# Altium PCB PCB_3_3G_wireless.PcbDoc (part 3 of 6) (continued)
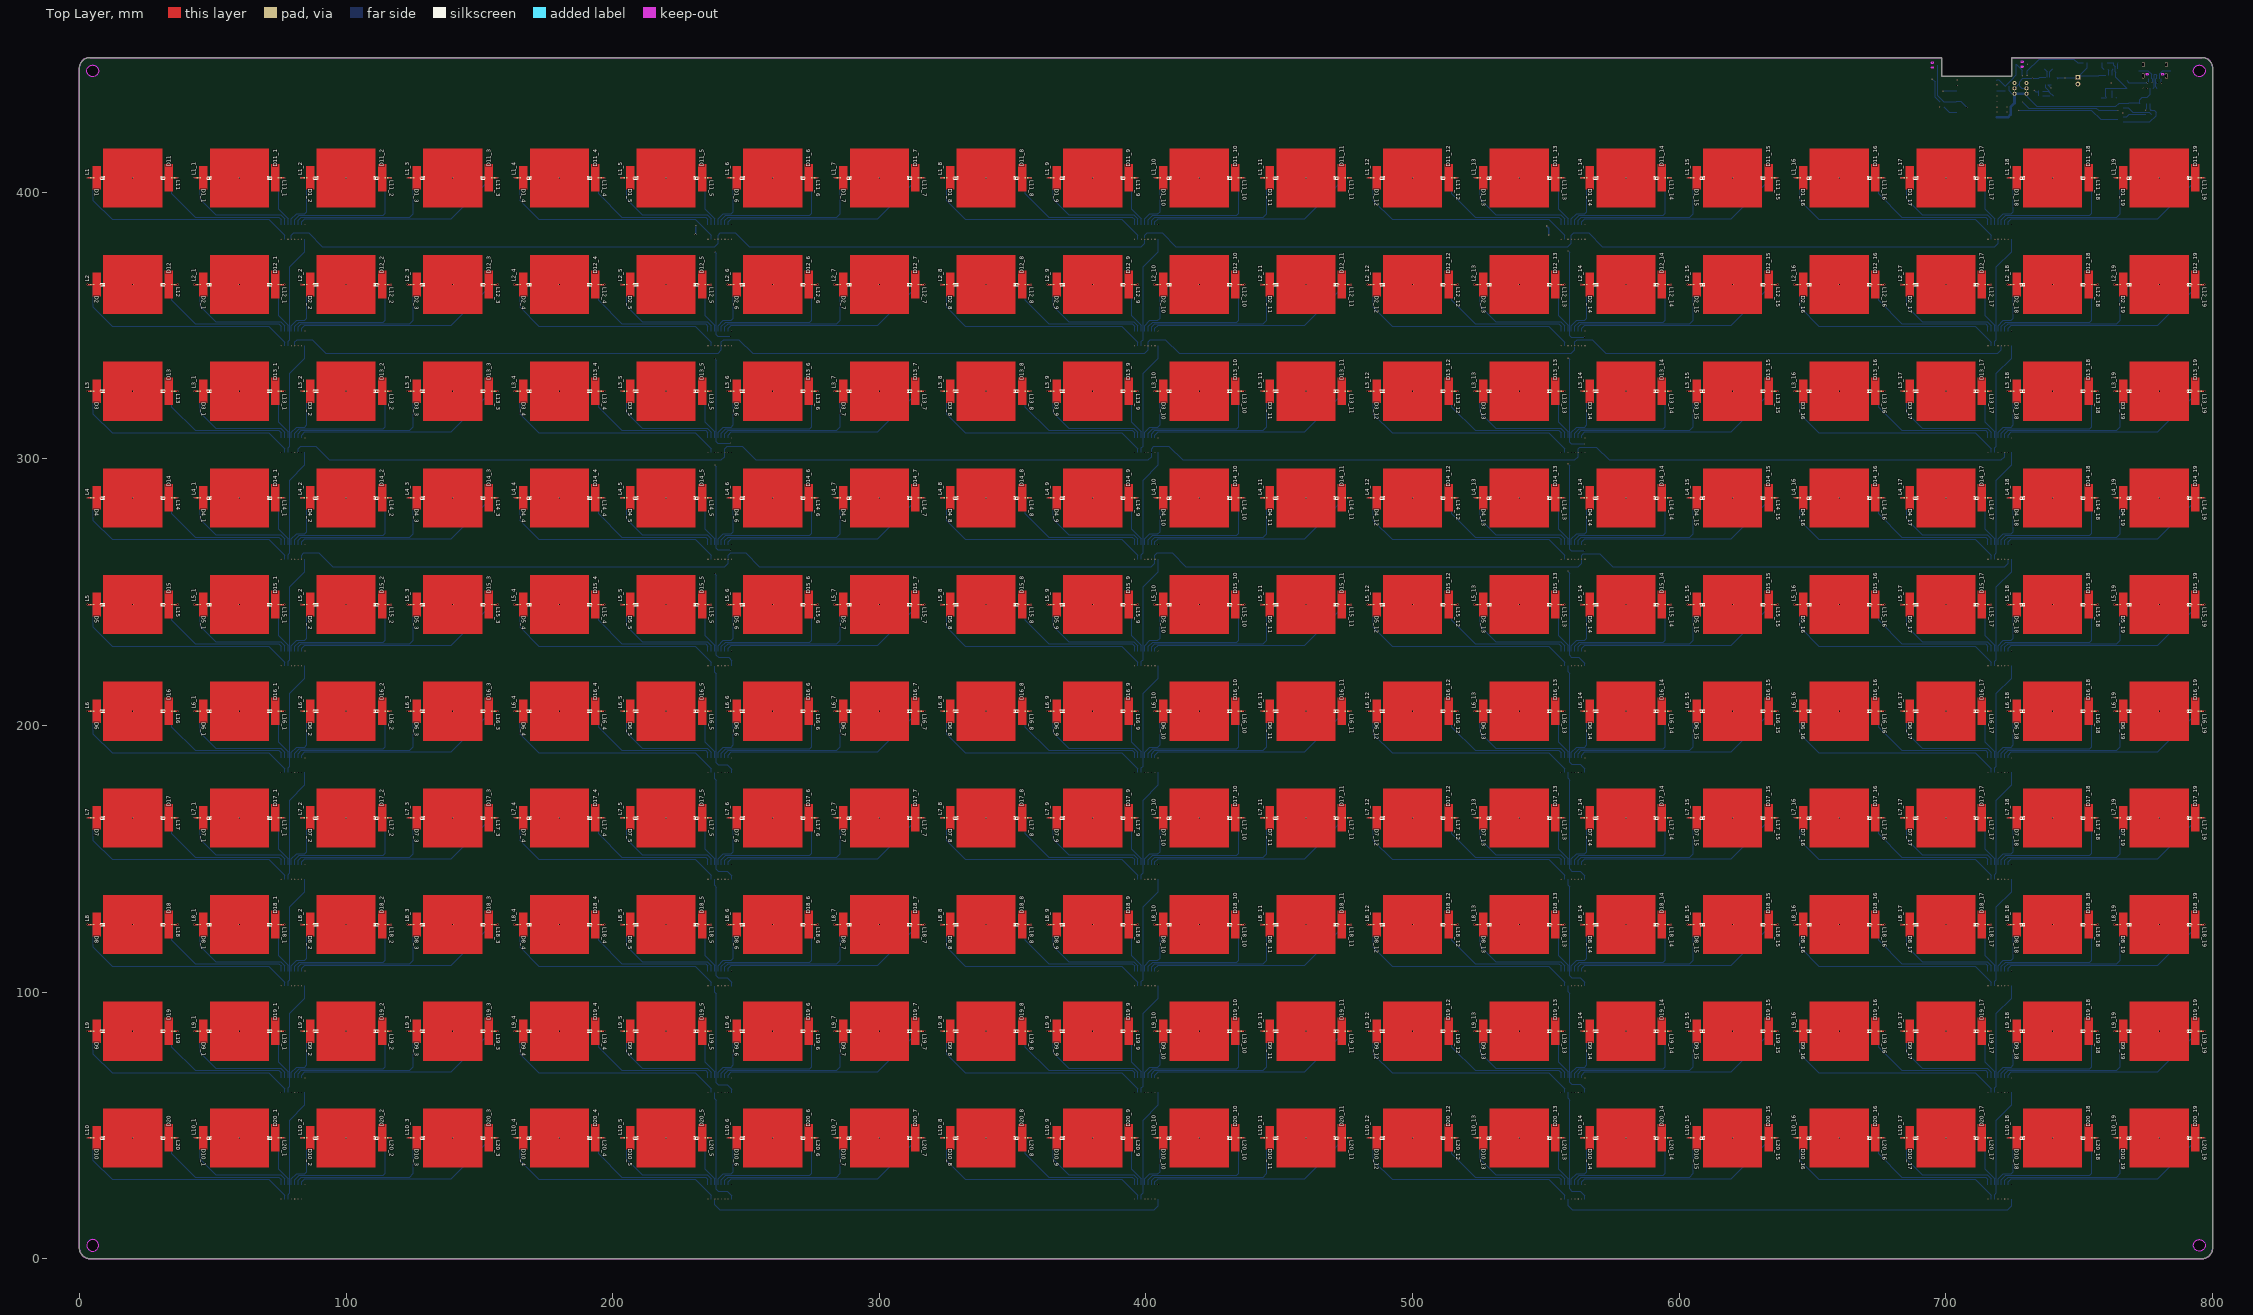
[diagram p0: Top Layer view]
## Nets (pads, with @x,y where several pads share a name; then routed paths per layer and width w, separated by ;. In a path a pad name is that pad's centre, name@x,y a point inside that pad or via, vN(x,y) a via of type N, cw(c..) or ccw(c..) an arc to the next point about the centre after c; other vN are vias at no path point) (continued)
NewNet52: D10_1.2 L10_1.2
NewNet53: D9_1.2 L9_1.2
NewNet54: D8_1.2 L8_1.2
NewNet55: D7_1.2 L7_1.2
NewNet56: D6_1.2 L6_1.2
NewNet57: D5_1.2 L5_1.2
NewNet58: D4_1.2 L4_1.2
NewNet59: D3_1.2 L3_1.2
NewNet60: D2_1.2 L2_1.2
NewNet61: BR1_2_9_8.2 L20_1.1 | length 1.2
  Bottom Layer w0.254: BR1_2_9_8.2@75.723,45.308 v1(76.9,45.308)
NewNet62: BR1_2_9_7.2 L19_1.1 | length 1.2
  Bottom Layer w0.254: BR1_2_9_7.2@75.723,85.308 v1(76.9,85.308)
NewNet63: BR1_2_9_6.2 L18_1.1 | length 1.2
  Bottom Layer w0.254: BR1_2_9_6.2@75.723,125.308 v1(76.9,125.308)
NewNet64: BR1_2_9_5.2 L17_1.1 | length 1.2
  Bottom Layer w0.254: BR1_2_9_5.2@75.723,165.308 v1(76.9,165.308)
NewNet65: BR1_2_9_4.2 L16_1.1 | length 1.2
  Bottom Layer w0.254: BR1_2_9_4.2@75.723,205.308 v1(76.9,205.308)
NewNet66: BR1_2_9_3.2 L15_1.1 | length 1.2
  Bottom Layer w0.254: BR1_2_9_3.2@75.723,245.308 v1(76.9,245.308)
NewNet67: BR1_2_9_2.2 L14_1.1 | length 1.2
  Bottom Layer w0.254: BR1_2_9_2.2@75.723,285.308 v1(76.9,285.308)
NewNet68: BR1_2_9_1.2 L13_1.1 | length 1.2
  Bottom Layer w0.254: BR1_2_9_1.2@75.723,325.308 v1(76.9,325.308)
NewNet69: BR1_2_9.2 L12_1.1 | length 1.2
  Bottom Layer w0.254: BR1_2_9.2@75.723,365.308 v1(76.9,365.308)
NewNet70: BR2_2_9_8.2 L10_1.1 | length 1.2
  Bottom Layer w0.254: v1(43.1,45.308) BR2_2_9_8.2@44.276,45.308
NewNet71: BR2_2_9_7.2 L9_1.1 | length 1.2
  Bottom Layer w0.254: v1(43.1,85.308) BR2_2_9_7.2@44.276,85.308
NewNet72: BR2_2_9_6.2 L8_1.1 | length 1.2
  Bottom Layer w0.254: v1(43.1,125.308) BR2_2_9_6.2@44.276,125.308
NewNet73: BR2_2_9_5.2 L7_1.1 | length 1.2
  Bottom Layer w0.254: v1(43.1,165.308) BR2_2_9_5.2@44.276,165.308
NewNet74: BR2_2_9_4.2 L6_1.1 | length 1.2
  Bottom Layer w0.254: v1(43.1,205.308) BR2_2_9_4.2@44.276,205.308
NewNet75: BR2_2_9_3.2 L5_1.1 | length 1.2
  Bottom Layer w0.254: v1(43.1,245.308) BR2_2_9_3.2@44.276,245.308
NewNet76: BR2_2_9_2.2 L4_1.1 | length 1.2
  Bottom Layer w0.254: v1(43.1,285.308) BR2_2_9_2.2@44.276,285.308
NewNet77: BR2_2_9_1.2 L3_1.1 | length 1.2
  Bottom Layer w0.254: v1(43.1,325.308) BR2_2_9_1.2@44.276,325.308
NewNet78: BR2_2_9.2 L2_1.1 | length 1.2
  Bottom Layer w0.254: v1(43.1,365.308) BR2_2_9.2@44.276,365.308
NewNet79: BR2_2_4.2 L1_1.1 | length 1.2
  Bottom Layer w0.254: v1(43.1,405.308) BR2_2_4.2@44.276,405.308
NewNet80: D1_1.2 L1_1.2
NewNet81: D20_2.2 L20_2.2
NewNet82: D19_2.2 L19_2.2
NewNet83: D18_2.2 L18_2.2
NewNet84: D17_2.2 L17_2.2
NewNet85: D16_2.2 L16_2.2
NewNet86: D15_2.2 L15_2.2
NewNet87: D14_2.2 L14_2.2
NewNet88: D13_2.2 L13_2.2
NewNet89: D12_2.2 L12_2.2
NewNet90: D11_2.2 L11_2.2
NewNet91: D10_2.2 L10_2.2
NewNet92: D9_2.2 L9_2.2
NewNet93: D8_2.2 L8_2.2
NewNet94: D7_2.2 L7_2.2
NewNet95: D6_2.2 L6_2.2
NewNet96: D5_2.2 L5_2.2
NewNet97: D4_2.2 L4_2.2
NewNet98: D3_2.2 L3_2.2
NewNet99: D2_2.2 L2_2.2
NewNet100: BR1_1_9_8.2 L20_2.1 | length 1.2
  Bottom Layer w0.254: BR1_1_9_8.2@115.723,45.308 v1(116.9,45.308)
NewNet101: BR1_1_9_7.2 L19_2.1 | length 1.2
  Bottom Layer w0.254: BR1_1_9_7.2@115.723,85.308 v1(116.9,85.308)
NewNet102: BR1_1_9_6.2 L18_2.1 | length 1.2
  Bottom Layer w0.254: BR1_1_9_6.2@115.723,125.308 v1(116.9,125.308)
NewNet103: BR1_1_9_5.2 L17_2.1 | length 1.2
  Bottom Layer w0.254: BR1_1_9_5.2@115.723,165.308 v1(116.9,165.308)
NewNet104: BR1_1_9_4.2 L16_2.1 | length 1.2
  Bottom Layer w0.254: BR1_1_9_4.2@115.723,205.308 v1(116.9,205.308)
NewNet105: BR1_1_9_3.2 L15_2.1 | length 1.2
  Bottom Layer w0.254: BR1_1_9_3.2@115.723,245.308 v1(116.9,245.308)
NewNet106: BR1_1_9_2.2 L14_2.1 | length 1.2
  Bottom Layer w0.254: BR1_1_9_2.2@115.723,285.308 v1(116.9,285.308)
NewNet107: BR1_1_9_1.2 L13_2.1 | length 1.2
  Bottom Layer w0.254: BR1_1_9_1.2@115.723,325.308 v1(116.9,325.308)
NewNet108: BR1_1_9.2 L12_2.1 | length 1.2
  Bottom Layer w0.254: BR1_1_9.2@115.723,365.308 v1(116.9,365.308)
NewNet109: BR1_1_4.2 L11_2.1 | length 1.2
  Bottom Layer w0.254: BR1_1_4.2@115.723,405.308 v1(116.9,405.308)
NewNet110: BR2_1_9_8.2 L10_2.1 | length 1.2
  Bottom Layer w0.254: v1(83.1,45.308) BR2_1_9_8.2@84.276,45.308
NewNet111: BR2_1_9_7.2 L9_2.1 | length 1.2
  Bottom Layer w0.254: v1(83.1,85.308) BR2_1_9_7.2@84.276,85.308
NewNet112: BR2_1_9_6.2 L8_2.1 | length 1.2
  Bottom Layer w0.254: v1(83.1,125.308) BR2_1_9_6.2@84.276,125.308
NewNet113: BR2_1_9_5.2 L7_2.1 | length 1.2
  Bottom Layer w0.254: v1(83.1,165.308) BR2_1_9_5.2@84.276,165.308
NewNet114: BR2_1_9_4.2 L6_2.1 | length 1.2
  Bottom Layer w0.254: v1(83.1,205.308) BR2_1_9_4.2@84.276,205.308
NewNet115: BR2_1_9_3.2 L5_2.1 | length 1.2
  Bottom Layer w0.254: v1(83.1,245.308) BR2_1_9_3.2@84.276,245.308
NewNet116: BR2_1_9_2.2 L4_2.1 | length 1.2
  Bottom Layer w0.254: v1(83.1,285.308) BR2_1_9_2.2@84.276,285.308
NewNet117: BR2_1_9_1.2 L3_2.1 | length 1.2
  Bottom Layer w0.254: v1(83.1,325.308) BR2_1_9_1.2@84.276,325.308
NewNet118: BR2_1_9.2 L2_2.1 | length 1.2
  Bottom Layer w0.254: v1(83.1,365.308) BR2_1_9.2@84.276,365.308
NewNet119: BR2_1_4.2 L1_2.1 | length 1.2
  Bottom Layer w0.254: v1(83.1,405.308) BR2_1_4.2@84.276,405.308
NewNet120: D1_2.2 L1_2.2
NewNet121: D20_3.2 L20_3.2
NewNet122: D19_3.2 L19_3.2
NewNet123: D18_3.2 L18_3.2
NewNet124: D17_3.2 L17_3.2
NewNet125: D16_3.2 L16_3.2
NewNet126: D15_3.2 L15_3.2
NewNet127: D14_3.2 L14_3.2
NewNet128: D13_3.2 L13_3.2
NewNet129: D12_3.2 L12_3.2
NewNet130: D11_3.2 L11_3.2
NewNet131: D10_3.2 L10_3.2
NewNet132: D9_3.2 L9_3.2
NewNet133: D8_3.2 L8_3.2
NewNet134: D7_3.2 L7_3.2
NewNet135: D6_3.2 L6_3.2
NewNet136: D5_3.2 L5_3.2
NewNet137: D4_3.2 L4_3.2
NewNet138: D3_3.2 L3_3.2
NewNet139: D2_3.2 L2_3.2
NewNet140: BR1_12_8.2 L20_3.1 | length 1.2
  Bottom Layer w0.254: BR1_12_8.2@155.723,45.308 v1(156.9,45.308)
NewNet141: BR1_12_7.2 L19_3.1 | length 1.2
  Bottom Layer w0.254: BR1_12_7.2@155.723,85.308 v1(156.9,85.308)
NewNet142: BR1_12_6.2 L18_3.1 | length 1.2
  Bottom Layer w0.254: BR1_12_6.2@155.723,125.308 v1(156.9,125.308)
NewNet143: BR1_12_5.2 L17_3.1 | length 1.2
  Bottom Layer w0.254: BR1_12_5.2@155.723,165.308 v1(156.9,165.308)
NewNet144: BR1_12_4.2 L16_3.1 | length 1.2
  Bottom Layer w0.254: BR1_12_4.2@155.723,205.308 v1(156.9,205.308)
NewNet145: BR1_12_3.2 L15_3.1 | length 1.2
  Bottom Layer w0.254: BR1_12_3.2@155.723,245.308 v1(156.9,245.308)
NewNet146: BR1_12_2.2 L14_3.1 | length 1.2
  Bottom Layer w0.254: BR1_12_2.2@155.723,285.308 v1(156.9,285.308)
NewNet147: BR1_12_1.2 L13_3.1 | length 1.2
  Bottom Layer w0.254: BR1_12_1.2@155.723,325.308 v1(156.9,325.308)
NewNet148: BR1_12.2 L12_3.1 | length 1.2
  Bottom Layer w0.254: BR1_12.2@155.723,365.308 v1(156.9,365.308)
NewNet149: BR1_7.2 L11_3.1 | length 1.2
  Bottom Layer w0.254: BR1_7.2@155.723,405.308 v1(156.9,405.308)
NewNet150: BR2_12_8.2 L10_3.1 | length 1.2
  Bottom Layer w0.254: v1(123.1,45.308) BR2_12_8.2@124.276,45.308
NewNet151: BR2_12_7.2 L9_3.1 | length 1.2
  Bottom Layer w0.254: v1(123.1,85.308) BR2_12_7.2@124.276,85.308
NewNet152: BR2_12_6.2 L8_3.1 | length 1.2
  Bottom Layer w0.254: v1(123.1,125.308) BR2_12_6.2@124.276,125.308
NewNet153: BR2_12_5.2 L7_3.1 | length 1.2
  Bottom Layer w0.254: v1(123.1,165.308) BR2_12_5.2@124.276,165.308
NewNet154: BR2_12_4.2 L6_3.1 | length 1.2
  Bottom Layer w0.254: v1(123.1,205.308) BR2_12_4.2@124.276,205.308
NewNet155: BR2_12_3.2 L5_3.1 | length 1.2
  Bottom Layer w0.254: v1(123.1,245.308) BR2_12_3.2@124.276,245.308
NewNet156: BR2_12_2.2 L4_3.1 | length 1.2
  Bottom Layer w0.254: v1(123.1,285.308) BR2_12_2.2@124.276,285.308
NewNet157: BR2_12_1.2 L3_3.1 | length 1.2
  Bottom Layer w0.254: v1(123.1,325.308) BR2_12_1.2@124.276,325.308
NewNet158: BR2_12.2 L2_3.1 | length 1.2
  Bottom Layer w0.254: v1(123.1,365.308) BR2_12.2@124.276,365.308
NewNet159: BR2_7.2 L1_3.1 | length 1.2
  Bottom Layer w0.254: v1(123.1,405.308) BR2_7.2@124.276,405.308
NewNet160: D1_3.2 L1_3.2
NewNet161: D20_4.2 L20_4.2
NewNet162: D19_4.2 L19_4.2
NewNet163: D18_4.2 L18_4.2
NewNet164: D17_4.2 L17_4.2
NewNet165: D16_4.2 L16_4.2
NewNet166: D15_4.2 L15_4.2
NewNet167: D14_4.2 L14_4.2
NewNet168: D13_4.2 L13_4.2
NewNet169: D12_4.2 L12_4.2
NewNet170: D11_4.2 L11_4.2
NewNet171: D10_4.2 L10_4.2
NewNet172: D9_4.2 L9_4.2
NewNet173: D8_4.2 L8_4.2
NewNet174: D7_4.2 L7_4.2
NewNet175: D6_4.2 L6_4.2
NewNet176: D5_4.2 L5_4.2
NewNet177: D4_4.2 L4_4.2
NewNet178: D3_4.2 L3_4.2
NewNet179: D2_4.2 L2_4.2
NewNet180: BR1_3_8_8.2 L20_4.1 | length 1.2
  Bottom Layer w0.254: BR1_3_8_8.2@195.723,45.308 v1(196.9,45.308)
NewNet181: BR1_3_8_7.2 L19_4.1 | length 1.2
  Bottom Layer w0.254: BR1_3_8_7.2@195.723,85.308 v1(196.9,85.308)
NewNet182: BR1_3_8_6.2 L18_4.1 | length 1.2
  Bottom Layer w0.254: BR1_3_8_6.2@195.723,125.308 v1(196.9,125.308)
NewNet183: BR1_3_8_5.2 L17_4.1 | length 1.2
  Bottom Layer w0.254: BR1_3_8_5.2@195.723,165.308 v1(196.9,165.308)
NewNet184: BR1_3_8_4.2 L16_4.1 | length 1.2
  Bottom Layer w0.254: BR1_3_8_4.2@195.723,205.308 v1(196.9,205.308)
NewNet185: BR1_3_8_3.2 L15_4.1 | length 1.2
  Bottom Layer w0.254: BR1_3_8_3.2@195.723,245.308 v1(196.9,245.308)
NewNet186: BR1_3_8_2.2 L14_4.1 | length 1.2
  Bottom Layer w0.254: BR1_3_8_2.2@195.723,285.308 v1(196.9,285.308)
NewNet187: BR1_3_8_1.2 L13_4.1 | length 1.2
  Bottom Layer w0.254: BR1_3_8_1.2@195.723,325.308 v1(196.9,325.308)
NewNet188: BR1_3_8.2 L12_4.1 | length 1.2
  Bottom Layer w0.254: BR1_3_8.2@195.723,365.308 v1(196.9,365.308)
NewNet189: BR1_3_3.2 L11_4.1 | length 1.2
  Bottom Layer w0.254: BR1_3_3.2@195.723,405.308 v1(196.9,405.308)
NewNet190: BR2_3_8_8.2 L10_4.1 | length 1.2
  Bottom Layer w0.254: v1(163.1,45.308) BR2_3_8_8.2@164.276,45.308
NewNet191: BR2_3_8_7.2 L9_4.1 | length 1.2
  Bottom Layer w0.254: v1(163.1,85.308) BR2_3_8_7.2@164.276,85.308
NewNet192: BR2_3_8_6.2 L8_4.1 | length 1.2
  Bottom Layer w0.254: v1(163.1,125.308) BR2_3_8_6.2@164.276,125.308
NewNet193: BR2_3_8_5.2 L7_4.1 | length 1.2
  Bottom Layer w0.254: v1(163.1,165.308) BR2_3_8_5.2@164.276,165.308
NewNet194: BR2_3_8_4.2 L6_4.1 | length 1.2
  Bottom Layer w0.254: v1(163.1,205.308) BR2_3_8_4.2@164.276,205.308
NewNet195: BR2_3_8_3.2 L5_4.1 | length 1.2
  Bottom Layer w0.254: v1(163.1,245.308) BR2_3_8_3.2@164.276,245.308
NewNet196: BR2_3_8_2.2 L4_4.1 | length 1.2
  Bottom Layer w0.254: v1(163.1,285.308) BR2_3_8_2.2@164.276,285.308
NewNet197: BR2_3_8_1.2 L3_4.1 | length 1.2
  Bottom Layer w0.254: v1(163.1,325.308) BR2_3_8_1.2@164.276,325.308
NewNet198: BR2_3_8.2 L2_4.1 | length 1.2
  Bottom Layer w0.254: v1(163.1,365.308) BR2_3_8.2@164.276,365.308
NewNet199: BR2_3_3.2 L1_4.1 | length 1.2
  Bottom Layer w0.254: v1(163.1,405.308) BR2_3_3.2@164.276,405.308
NewNet200: D1_4.2 L1_4.2
NewNet201: D20_5.2 L20_5.2
NewNet202: D19_5.2 L19_5.2
NewNet203: D18_5.2 L18_5.2
NewNet204: D17_5.2 L17_5.2
NewNet205: D16_5.2 L16_5.2
NewNet206: D15_5.2 L15_5.2
NewNet207: D14_5.2 L14_5.2
NewNet208: D13_5.2 L13_5.2
NewNet209: D12_5.2 L12_5.2
NewNet210: D11_5.2 L11_5.2
NewNet211: D10_5.2 L10_5.2
NewNet212: D9_5.2 L9_5.2
NewNet213: D8_5.2 L8_5.2
NewNet214: D7_5.2 L7_5.2
NewNet215: D6_5.2 L6_5.2
NewNet216: D5_5.2 L5_5.2
NewNet217: D4_5.2 L4_5.2
NewNet218: D3_5.2 L3_5.2
NewNet219: D2_5.2 L2_5.2
NewNet220: BR1_2_8_8.2 L20_5.1 | length 1.2
  Bottom Layer w0.254: BR1_2_8_8.2@235.723,45.308 v1(236.9,45.308)
NewNet221: BR1_2_8_7.2 L19_5.1 | length 1.2
  Bottom Layer w0.254: BR1_2_8_7.2@235.723,85.308 v1(236.9,85.308)
NewNet222: BR1_2_8_6.2 L18_5.1 | length 1.2
  Bottom Layer w0.254: BR1_2_8_6.2@235.723,125.308 v1(236.9,125.308)
NewNet223: BR1_2_8_5.2 L17_5.1 | length 1.2
  Bottom Layer w0.254: BR1_2_8_5.2@235.723,165.308 v1(236.9,165.308)
NewNet224: BR1_2_8_4.2 L16_5.1 | length 1.2
  Bottom Layer w0.254: BR1_2_8_4.2@235.723,205.308 v1(236.9,205.308)
NewNet225: BR1_2_8_3.2 L15_5.1 | length 1.2
  Bottom Layer w0.254: BR1_2_8_3.2@235.723,245.308 v1(236.9,245.308)
NewNet226: BR1_2_8_2.2 L14_5.1 | length 1.2
  Bottom Layer w0.254: BR1_2_8_2.2@235.723,285.308 v1(236.9,285.308)
NewNet227: BR1_2_8_1.2 L13_5.1 | length 1.2
  Bottom Layer w0.254: BR1_2_8_1.2@235.723,325.308 v1(236.9,325.308)
NewNet228: BR1_2_8.2 L12_5.1 | length 1.2
  Bottom Layer w0.254: BR1_2_8.2@235.723,365.308 v1(236.9,365.308)
NewNet229: BR1_2_3.2 L11_5.1 | length 1.2
  Bottom Layer w0.254: BR1_2_3.2@235.723,405.308 v1(236.9,405.308)
NewNet230: BR2_2_8_8.2 L10_5.1 | length 1.2
  Bottom Layer w0.254: v1(203.1,45.308) BR2_2_8_8.2@204.276,45.308
NewNet231: BR2_2_8_7.2 L9_5.1 | length 1.2
  Bottom Layer w0.254: v1(203.1,85.308) BR2_2_8_7.2@204.276,85.308
NewNet232: BR2_2_8_6.2 L8_5.1 | length 1.2
  Bottom Layer w0.254: v1(203.1,125.308) BR2_2_8_6.2@204.276,125.308
NewNet233: BR2_2_8_5.2 L7_5.1 | length 1.2
  Bottom Layer w0.254: v1(203.1,165.308) BR2_2_8_5.2@204.276,165.308
NewNet234: BR2_2_8_4.2 L6_5.1 | length 1.2
  Bottom Layer w0.254: v1(203.1,205.308) BR2_2_8_4.2@204.276,205.308
NewNet235: BR2_2_8_3.2 L5_5.1 | length 1.2
  Bottom Layer w0.254: v1(203.1,245.308) BR2_2_8_3.2@204.276,245.308
NewNet236: BR2_2_8_2.2 L4_5.1 | length 1.2
  Bottom Layer w0.254: v1(203.1,285.308) BR2_2_8_2.2@204.276,285.308
NewNet237: BR2_2_8_1.2 L3_5.1 | length 1.2
  Bottom Layer w0.254: v1(203.1,325.308) BR2_2_8_1.2@204.276,325.308
NewNet238: BR2_2_8.2 L2_5.1 | length 1.2
  Bottom Layer w0.254: v1(203.1,365.308) BR2_2_8.2@204.276,365.308
NewNet239: BR2_2_3.2 L1_5.1 | length 1.2
  Bottom Layer w0.254: v1(203.1,405.308) BR2_2_3.2@204.276,405.308
NewNet240: D1_5.2 L1_5.2
NewNet241: D20_6.2 L20_6.2
NewNet242: D19_6.2 L19_6.2
NewNet243: D18_6.2 L18_6.2
NewNet244: D17_6.2 L17_6.2
NewNet245: D16_6.2 L16_6.2
NewNet246: D15_6.2 L15_6.2
NewNet247: D14_6.2 L14_6.2
NewNet248: D13_6.2 L13_6.2
NewNet249: D12_6.2 L12_6.2
NewNet250: D11_6.2 L11_6.2
NewNet251: D10_6.2 L10_6.2
NewNet252: D9_6.2 L9_6.2
NewNet253: D8_6.2 L8_6.2
NewNet254: D7_6.2 L7_6.2
NewNet255: D6_6.2 L6_6.2
NewNet256: D5_6.2 L5_6.2
NewNet257: D4_6.2 L4_6.2
NewNet258: D3_6.2 L3_6.2
NewNet259: D2_6.2 L2_6.2
NewNet260: BR1_1_8_8.2 L20_6.1 | length 1.2
  Bottom Layer w0.254: BR1_1_8_8.2@275.723,45.308 v1(276.9,45.308)
NewNet261: BR1_1_8_7.2 L19_6.1 | length 1.2
  Bottom Layer w0.254: BR1_1_8_7.2@275.723,85.308 v1(276.9,85.308)
NewNet262: BR1_1_8_6.2 L18_6.1 | length 1.2
  Bottom Layer w0.254: BR1_1_8_6.2@275.723,125.308 v1(276.9,125.308)
NewNet263: BR1_1_8_5.2 L17_6.1 | length 1.2
  Bottom Layer w0.254: BR1_1_8_5.2@275.723,165.308 v1(276.9,165.308)
NewNet264: BR1_1_8_4.2 L16_6.1 | length 1.2
  Bottom Layer w0.254: BR1_1_8_4.2@275.723,205.308 v1(276.9,205.308)
NewNet265: BR1_1_8_3.2 L15_6.1 | length 1.2
  Bottom Layer w0.254: BR1_1_8_3.2@275.723,245.308 v1(276.9,245.308)
NewNet266: BR1_1_8_2.2 L14_6.1 | length 1.2
  Bottom Layer w0.254: BR1_1_8_2.2@275.723,285.308 v1(276.9,285.308)
NewNet267: BR1_1_8_1.2 L13_6.1 | length 1.2
  Bottom Layer w0.254: BR1_1_8_1.2@275.723,325.308 v1(276.9,325.308)
NewNet268: BR1_1_8.2 L12_6.1 | length 1.2
  Bottom Layer w0.254: BR1_1_8.2@275.723,365.308 v1(276.9,365.308)
NewNet269: BR1_1_3.2 L11_6.1 | length 1.2
  Bottom Layer w0.254: BR1_1_3.2@275.723,405.308 v1(276.9,405.308)
NewNet270: BR2_1_8_8.2 L10_6.1 | length 1.2
  Bottom Layer w0.254: v1(243.1,45.308) BR2_1_8_8.2@244.276,45.308
NewNet271: BR2_1_8_7.2 L9_6.1 | length 1.2
  Bottom Layer w0.254: v1(243.1,85.308) BR2_1_8_7.2@244.276,85.308
NewNet272: BR2_1_8_6.2 L8_6.1 | length 1.2
  Bottom Layer w0.254: v1(243.1,125.308) BR2_1_8_6.2@244.276,125.308
NewNet273: BR2_1_8_5.2 L7_6.1 | length 1.2
  Bottom Layer w0.254: v1(243.1,165.308) BR2_1_8_5.2@244.276,165.308
NewNet274: BR2_1_8_4.2 L6_6.1 | length 1.2
  Bottom Layer w0.254: v1(243.1,205.308) BR2_1_8_4.2@244.276,205.308
NewNet275: BR2_1_8_3.2 L5_6.1 | length 1.2
  Bottom Layer w0.254: v1(243.1,245.308) BR2_1_8_3.2@244.276,245.308
NewNet276: BR2_1_8_2.2 L4_6.1 | length 1.2
  Bottom Layer w0.254: v1(243.1,285.308) BR2_1_8_2.2@244.276,285.308
NewNet277: BR2_1_8_1.2 L3_6.1 | length 1.2
  Bottom Layer w0.254: v1(243.1,325.308) BR2_1_8_1.2@244.276,325.308
NewNet278: BR2_1_8.2 L2_6.1 | length 1.2
  Bottom Layer w0.254: v1(243.1,365.308) BR2_1_8.2@244.276,365.308
NewNet279: BR2_1_3.2 L1_6.1 | length 1.2
  Bottom Layer w0.254: v1(243.1,405.308) BR2_1_3.2@244.276,405.308
NewNet280: D1_6.2 L1_6.2
NewNet281: D20_7.2 L20_7.2
NewNet282: D19_7.2 L19_7.2
NewNet283: D18_7.2 L18_7.2
NewNet284: D17_7.2 L17_7.2
NewNet285: D16_7.2 L16_7.2
NewNet286: D15_7.2 L15_7.2
NewNet287: D14_7.2 L14_7.2
NewNet288: D13_7.2 L13_7.2
NewNet289: D12_7.2 L12_7.2
NewNet290: D11_7.2 L11_7.2
NewNet291: D10_7.2 L10_7.2
NewNet292: D9_7.2 L9_7.2
NewNet293: D8_7.2 L8_7.2
NewNet294: D7_7.2 L7_7.2
NewNet295: D6_7.2 L6_7.2
NewNet296: D5_7.2 L5_7.2
NewNet297: D4_7.2 L4_7.2
NewNet298: D3_7.2 L3_7.2
NewNet299: D2_7.2 L2_7.2
NewNet300: BR1_11_8.2 L20_7.1 | length 1.2
  Bottom Layer w0.254: BR1_11_8.2@315.723,45.308 v1(316.9,45.308)
NewNet301: BR1_11_7.2 L19_7.1 | length 1.2
  Bottom Layer w0.254: BR1_11_7.2@315.723,85.308 v1(316.9,85.308)
NewNet302: BR1_11_6.2 L18_7.1 | length 1.2
  Bottom Layer w0.254: BR1_11_6.2@315.723,125.308 v1(316.9,125.308)
NewNet303: BR1_11_5.2 L17_7.1 | length 1.2
  Bottom Layer w0.254: BR1_11_5.2@315.723,165.308 v1(316.9,165.308)
NewNet304: BR1_11_4.2 L16_7.1 | length 1.2
  Bottom Layer w0.254: BR1_11_4.2@315.723,205.308 v1(316.9,205.308)
NewNet305: BR1_11_3.2 L15_7.1 | length 1.2
  Bottom Layer w0.254: BR1_11_3.2@315.723,245.308 v1(316.9,245.308)
NewNet306: BR1_11_2.2 L14_7.1 | length 1.2
  Bottom Layer w0.254: BR1_11_2.2@315.723,285.308 v1(316.9,285.308)
NewNet307: BR1_11_1.2 L13_7.1 | length 1.2
  Bottom Layer w0.254: BR1_11_1.2@315.723,325.308 v1(316.9,325.308)
NewNet308: BR1_11.2 L12_7.1 | length 1.2
  Bottom Layer w0.254: BR1_11.2@315.723,365.308 v1(316.9,365.308)
NewNet309: BR1_6.2 L11_7.1 | length 1.2
  Bottom Layer w0.254: BR1_6.2@315.723,405.308 v1(316.9,405.308)
NewNet310: BR2_11_8.2 L10_7.1 | length 1.2
  Bottom Layer w0.254: v1(283.1,45.308) BR2_11_8.2@284.276,45.308
NewNet311: BR2_11_7.2 L9_7.1 | length 1.2
  Bottom Layer w0.254: v1(283.1,85.308) BR2_11_7.2@284.276,85.308
NewNet312: BR2_11_6.2 L8_7.1 | length 1.2
  Bottom Layer w0.254: v1(283.1,125.308) BR2_11_6.2@284.276,125.308
NewNet313: BR2_11_5.2 L7_7.1 | length 1.2
  Bottom Layer w0.254: v1(283.1,165.308) BR2_11_5.2@284.276,165.308
NewNet314: BR2_11_4.2 L6_7.1 | length 1.2
  Bottom Layer w0.254: v1(283.1,205.308) BR2_11_4.2@284.276,205.308
NewNet315: BR2_11_3.2 L5_7.1 | length 1.2
  Bottom Layer w0.254: v1(283.1,245.308) BR2_11_3.2@284.276,245.308
NewNet316: BR2_11_2.2 L4_7.1 | length 1.2
  Bottom Layer w0.254: v1(283.1,285.308) BR2_11_2.2@284.276,285.308
NewNet317: BR2_11_1.2 L3_7.1 | length 1.2
  Bottom Layer w0.254: v1(283.1,325.308) BR2_11_1.2@284.276,325.308
NewNet318: BR2_11.2 L2_7.1 | length 1.2
  Bottom Layer w0.254: v1(283.1,365.308) BR2_11.2@284.276,365.308
NewNet319: BR2_6.2 L1_7.1 | length 1.2
  Bottom Layer w0.254: v1(283.1,405.308) BR2_6.2@284.276,405.308
NewNet320: D1_7.2 L1_7.2
NewNet321: D20_8.2 L20_8.2
NewNet322: D19_8.2 L19_8.2
NewNet323: D18_8.2 L18_8.2
NewNet324: D17_8.2 L17_8.2
NewNet325: D16_8.2 L16_8.2
NewNet326: D15_8.2 L15_8.2
NewNet327: D14_8.2 L14_8.2
NewNet328: D13_8.2 L13_8.2
NewNet329: D12_8.2 L12_8.2
NewNet330: D11_8.2 L11_8.2
NewNet331: D10_8.2 L10_8.2
NewNet332: D9_8.2 L9_8.2
NewNet333: D8_8.2 L8_8.2
NewNet334: D7_8.2 L7_8.2
NewNet335: D6_8.2 L6_8.2
NewNet336: D5_8.2 L5_8.2
NewNet337: D4_8.2 L4_8.2
NewNet338: D3_8.2 L3_8.2
NewNet339: D2_8.2 L2_8.2
NewNet340: BR1_3_7_8.2 L20_8.1 | length 1.2
  Bottom Layer w0.254: BR1_3_7_8.2@355.723,45.308 v1(356.9,45.308)
NewNet341: BR1_3_7_7.2 L19_8.1 | length 1.2
  Bottom Layer w0.254: BR1_3_7_7.2@355.723,85.308 v1(356.9,85.308)
NewNet342: BR1_3_7_6.2 L18_8.1 | length 1.2
  Bottom Layer w0.254: BR1_3_7_6.2@355.723,125.308 v1(356.9,125.308)
NewNet343: BR1_3_7_5.2 L17_8.1 | length 1.2
  Bottom Layer w0.254: BR1_3_7_5.2@355.723,165.308 v1(356.9,165.308)
NewNet344: BR1_3_7_4.2 L16_8.1 | length 1.2
  Bottom Layer w0.254: BR1_3_7_4.2@355.723,205.308 v1(356.9,205.308)
NewNet345: BR1_3_7_3.2 L15_8.1 | length 1.2
  Bottom Layer w0.254: BR1_3_7_3.2@355.723,245.308 v1(356.9,245.308)
NewNet346: BR1_3_7_2.2 L14_8.1 | length 1.2
  Bottom Layer w0.254: BR1_3_7_2.2@355.723,285.308 v1(356.9,285.308)
NewNet347: BR1_3_7_1.2 L13_8.1 | length 1.2
  Bottom Layer w0.254: BR1_3_7_1.2@355.723,325.308 v1(356.9,325.308)
NewNet348: BR1_3_7.2 L12_8.1 | length 1.2
  Bottom Layer w0.254: BR1_3_7.2@355.723,365.308 v1(356.9,365.308)
NewNet349: BR1_3_2.2 L11_8.1 | length 1.2
  Bottom Layer w0.254: BR1_3_2.2@355.723,405.308 v1(356.9,405.308)
NewNet350: BR2_3_7_8.2 L10_8.1 | length 1.2
  Bottom Layer w0.254: v1(323.1,45.308) BR2_3_7_8.2@324.276,45.308
NewNet351: BR2_3_7_7.2 L9_8.1 | length 1.2
  Bottom Layer w0.254: v1(323.1,85.308) BR2_3_7_7.2@324.276,85.308
NewNet352: BR2_3_7_6.2 L8_8.1 | length 1.2
  Bottom Layer w0.254: v1(323.1,125.308) BR2_3_7_6.2@324.276,125.308
NewNet353: BR2_3_7_5.2 L7_8.1 | length 1.2
  Bottom Layer w0.254: v1(323.1,165.308) BR2_3_7_5.2@324.276,165.308
NewNet354: BR2_3_7_4.2 L6_8.1 | length 1.2
  Bottom Layer w0.254: v1(323.1,205.308) BR2_3_7_4.2@324.276,205.308
NewNet355: BR2_3_7_3.2 L5_8.1 | length 1.2
  Bottom Layer w0.254: v1(323.1,245.308) BR2_3_7_3.2@324.276,245.308
NewNet356: BR2_3_7_2.2 L4_8.1 | length 1.2
  Bottom Layer w0.254: v1(323.1,285.308) BR2_3_7_2.2@324.276,285.308
NewNet357: BR2_3_7_1.2 L3_8.1 | length 1.2
  Bottom Layer w0.254: v1(323.1,325.308) BR2_3_7_1.2@324.276,325.308
NewNet358: BR2_3_7.2 L2_8.1 | length 1.2
  Bottom Layer w0.254: v1(323.1,365.308) BR2_3_7.2@324.276,365.308
NewNet359: BR2_3_2.2 L1_8.1 | length 1.2
  Bottom Layer w0.254: v1(323.1,405.308) BR2_3_2.2@324.276,405.308
NewNet360: D1_8.2 L1_8.2
NewNet361: D20_9.2 L20_9.2
NewNet362: D19_9.2 L19_9.2
NewNet363: D18_9.2 L18_9.2
NewNet364: D17_9.2 L17_9.2
NewNet365: D16_9.2 L16_9.2
NewNet366: D15_9.2 L15_9.2
NewNet367: D14_9.2 L14_9.2
NewNet368: D13_9.2 L13_9.2
NewNet369: D12_9.2 L12_9.2
NewNet370: D11_9.2 L11_9.2
NewNet371: D10_9.2 L10_9.2
NewNet372: D9_9.2 L9_9.2
NewNet373: D8_9.2 L8_9.2
NewNet374: D7_9.2 L7_9.2
NewNet375: D6_9.2 L6_9.2
NewNet376: D5_9.2 L5_9.2
NewNet377: D4_9.2 L4_9.2
NewNet378: D3_9.2 L3_9.2
NewNet379: D2_9.2 L2_9.2
NewNet380: BR1_2_7_8.2 L20_9.1 | length 1.2
  Bottom Layer w0.254: BR1_2_7_8.2@395.723,45.308 v1(396.9,45.308)
NewNet381: BR1_2_7_7.2 L19_9.1 | length 1.2
  Bottom Layer w0.254: BR1_2_7_7.2@395.723,85.308 v1(396.9,85.308)
NewNet382: BR1_2_7_6.2 L18_9.1 | length 1.2
  Bottom Layer w0.254: BR1_2_7_6.2@395.723,125.308 v1(396.9,125.308)
NewNet383: BR1_2_7_5.2 L17_9.1 | length 1.2
  Bottom Layer w0.254: BR1_2_7_5.2@395.723,165.308 v1(396.9,165.308)
NewNet384: BR1_2_7_4.2 L16_9.1 | length 1.2
  Bottom Layer w0.254: BR1_2_7_4.2@395.723,205.308 v1(396.9,205.308)
NewNet385: BR1_2_7_3.2 L15_9.1 | length 1.2
  Bottom Layer w0.254: BR1_2_7_3.2@395.723,245.308 v1(396.9,245.308)
NewNet386: BR1_2_7_2.2 L14_9.1 | length 1.2
  Bottom Layer w0.254: BR1_2_7_2.2@395.723,285.308 v1(396.9,285.308)
NewNet387: BR1_2_7_1.2 L13_9.1 | length 1.2
  Bottom Layer w0.254: BR1_2_7_1.2@395.723,325.308 v1(396.9,325.308)
NewNet388: BR1_2_7.2 L12_9.1 | length 1.2
  Bottom Layer w0.254: BR1_2_7.2@395.723,365.308 v1(396.9,365.308)
NewNet389: BR2_2_7_8.2 L10_9.1 | length 1.2
  Bottom Layer w0.254: v1(363.1,45.308) BR2_2_7_8.2@364.276,45.308
NewNet390: BR2_2_7_7.2 L9_9.1 | length 1.2
  Bottom Layer w0.254: v1(363.1,85.308) BR2_2_7_7.2@364.276,85.308
NewNet391: BR2_2_7_6.2 L8_9.1 | length 1.2
  Bottom Layer w0.254: v1(363.1,125.308) BR2_2_7_6.2@364.276,125.308
NewNet392: BR2_2_7_5.2 L7_9.1 | length 1.2
  Bottom Layer w0.254: v1(363.1,165.308) BR2_2_7_5.2@364.276,165.308
NewNet393: BR2_2_7_4.2 L6_9.1 | length 1.2
  Bottom Layer w0.254: v1(363.1,205.308) BR2_2_7_4.2@364.276,205.308
NewNet394: BR2_2_7_3.2 L5_9.1 | length 1.2
  Bottom Layer w0.254: v1(363.1,245.308) BR2_2_7_3.2@364.276,245.308
NewNet395: BR2_2_7_2.2 L4_9.1 | length 1.2
  Bottom Layer w0.254: v1(363.1,285.308) BR2_2_7_2.2@364.276,285.308
NewNet396: BR2_2_7_1.2 L3_9.1 | length 1.2
  Bottom Layer w0.254: v1(363.1,325.308) BR2_2_7_1.2@364.276,325.308
NewNet397: BR2_2_7.2 L2_9.1 | length 1.2
  Bottom Layer w0.254: v1(363.1,365.308) BR2_2_7.2@364.276,365.308
NewNet398: BR2_2_2.2 L1_9.1 | length 1.2
  Bottom Layer w0.254: v1(363.1,405.308) BR2_2_2.2@364.276,405.308
NewNet399: D1_9.2 L1_9.2
NewNet400: D20_10.2 L20_10.2
NewNet401: D19_10.2 L19_10.2
NewNet402: D18_10.2 L18_10.2
NewNet403: D17_10.2 L17_10.2
NewNet404: D16_10.2 L16_10.2
NewNet405: D15_10.2 L15_10.2
NewNet406: D14_10.2 L14_10.2
NewNet407: D13_10.2 L13_10.2
NewNet408: D12_10.2 L12_10.2
NewNet409: D11_10.2 L11_10.2
NewNet410: D10_10.2 L10_10.2
NewNet411: D9_10.2 L9_10.2
NewNet412: D8_10.2 L8_10.2
NewNet413: D7_10.2 L7_10.2
NewNet414: D6_10.2 L6_10.2
NewNet415: D5_10.2 L5_10.2
NewNet416: D4_10.2 L4_10.2
NewNet417: D3_10.2 L3_10.2
NewNet418: D2_10.2 L2_10.2
NewNet419: BR1_1_7_8.2 L20_10.1 | length 1.2
  Bottom Layer w0.254: BR1_1_7_8.2@435.723,45.308 v1(436.9,45.308)